# Altium PCB CoinCraftA1.PcbDoc (part 1 of 7) (continued)
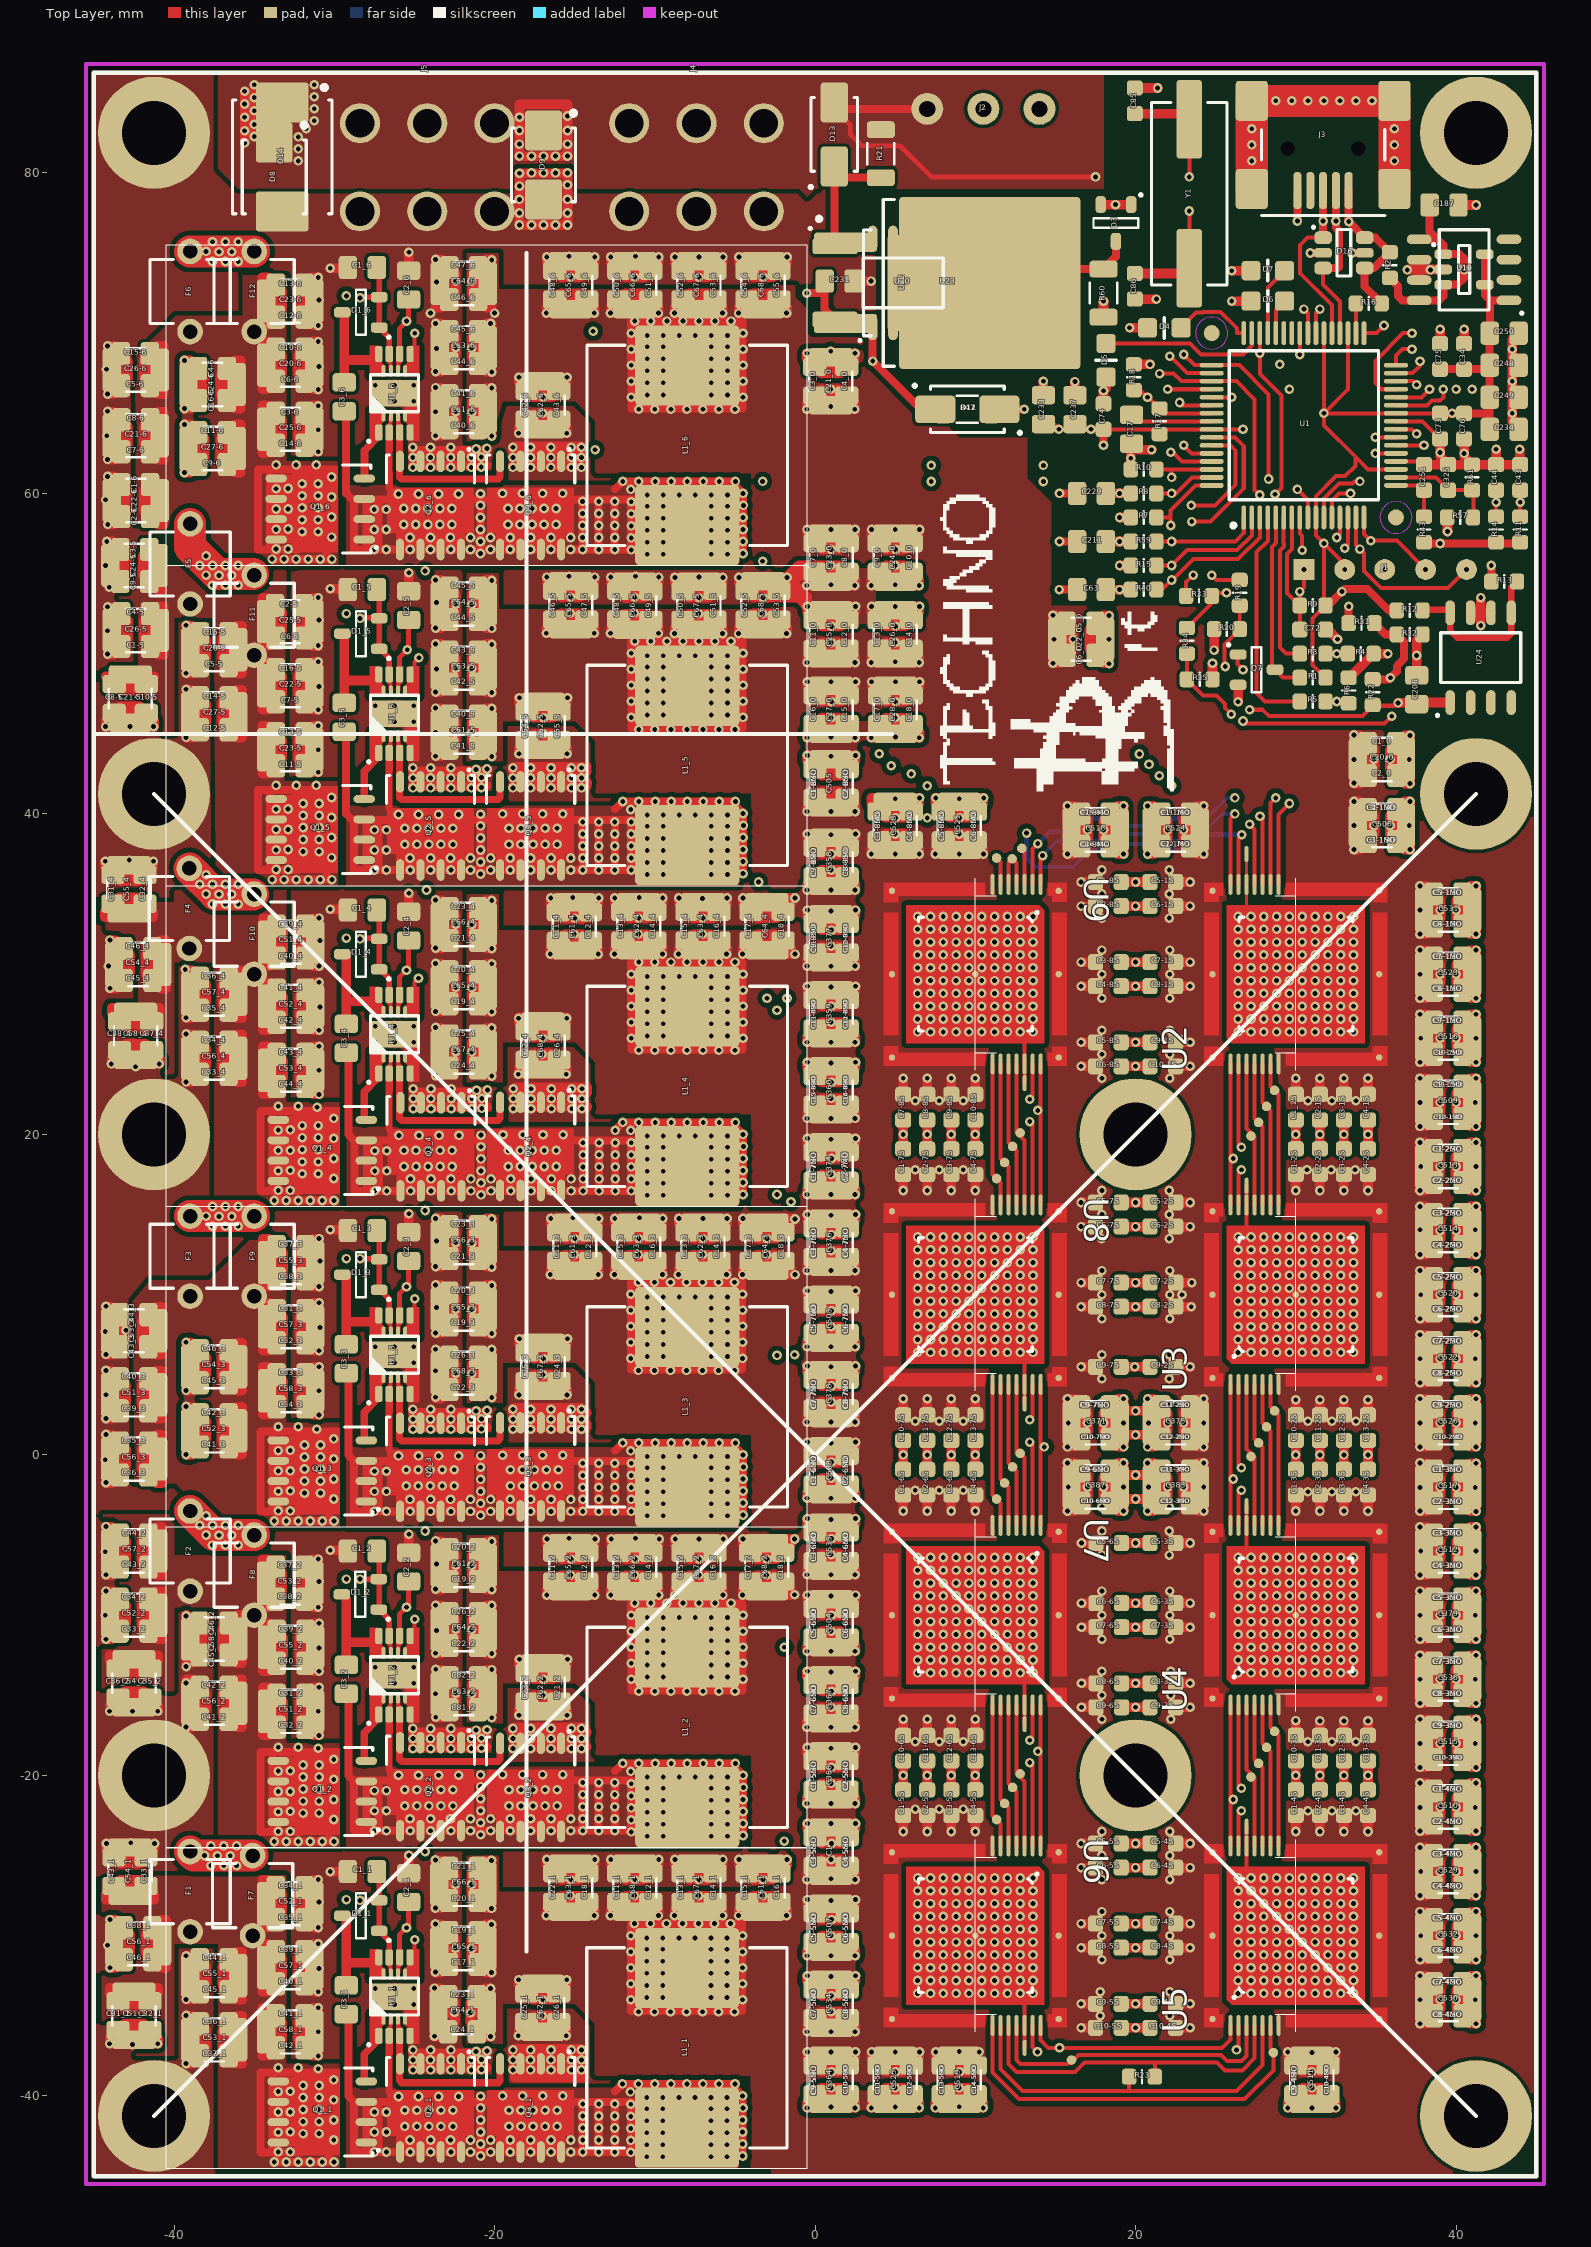
[diagram p0: Top Layer view]
## Components (designator, comment, footprint, x,y, rotation, side; value= is the part's Value field where it differs from the comment) (continued)
C12-8SO "(OPT) 470nF" SMD_0603_CAPC1608X80N 2,27.5 r270 top
C12_0 "(OPT)22uF/6.3V" SMD_0805_CAPC2012X145N 2,51.2 r90 top
C12_1 "22uF/6.3V" SMD_0805_CAPC2012X145N -10.25,-27 r90 top
C12_2 "22uF/6.3V" SMD_0805_CAPC2012X145N -14.25,-7 r90 top
C12_3 "22uF/6.3V" SMD_0805_CAPC2012X145N -14,13 r90 top
C12_4 "22uF/6.3V" SMD_0805_CAPC2012X145N -14.025,32.975 r90 top
C13-2S "470nF" SMD_0603_CAPC1608X80N 34.5,1.7 r270 top
C13-3S "470nF" SMD_0603_CAPC1608X80N 34.5,-18.3 r270 top
C13-5 "10uF/16V" SMD_0805_CAPC2012X145N -32.75,45 r0 top
C13-5MO "(OPT)22uF/6.3V" SMD_0805_CAPC2012X145N 8,-39 r270 top
C13-5SO "(OPT) 470nF" SMD_0603_CAPC1608X80N 8,-39 r270 top
C13-6 "10uF/16V" SMD_0805_CAPC2012X145N -32.75,73 r0 top
C13-6S "470nF" SMD_0603_CAPC1608X80N 10,-18.3 r270 top
C13-7S "470nF" SMD_0603_CAPC1608X80N 10,1.7 r270 top
C13-8MO "(OPT)22uF/6.3V" SMD_0805_CAPC2012X145N 0,27.5 r270 top
C13-8SO "(OPT) 470nF" SMD_0603_CAPC1608X80N 0,22.75 r90 top
C13_0 "(OPT)22uF/6.3V" SMD_0805_CAPC2012X145N 4,51.2 r90 top
C13_1 "22uF/6.3V" SMD_0805_CAPC2012X145N -8.25,-27 r90 top
C13_2 "22uF/6.3V" SMD_0805_CAPC2012X145N -12.251,-7 r90 top
C13_3 "22uF/6.3V" SMD_0805_CAPC2012X145N -8,13 r90 top
C13_4 "22uF/6.3V" SMD_0805_CAPC2012X145N -12,33 r90 top
C14-5 "10uF/16V" SMD_0805_CAPC2012X145N -37.5,47.25 r180 top
C14-5MO "(OPT)22uF/6.3V" SMD_0805_CAPC2012X145N 10,-39 r270 top
C14-5SO "(OPT) 470nF" SMD_0603_CAPC1608X80N 10,-39 r270 top
C14-6 "10uF/16V" SMD_0805_CAPC2012X145N -32.75,63 r0 top
C14-8MO "(OPT)22uF/6.3V" SMD_0805_CAPC2012X145N 2,27.5 r270 top
C14-8SO "(OPT) 470nF" SMD_0603_CAPC1608X80N 2,22.75 r90 top
C14_0 "(OPT)22uF/6.3V" SMD_0805_CAPC2012X145N 6,51.2 r90 top
C14_1 "22uF/6.3V" SMD_0805_CAPC2012X145N -6.25,-27 r90 top
C14_2 "22uF/6.3V" SMD_0805_CAPC2012X145N -10.25,-7 r90 top
C14_3 "22uF/6.3V" SMD_0805_CAPC2012X145N -5.999,13 r90 top
C14_4 "22uF/6.3V" SMD_0805_CAPC2012X145N -10,33 r90 top
C15-5 "10uF/16V" SMD_0805_CAPC2012X145N -37.5,51.25 r180 top
C15-6 "10uF/16V" SMD_0805_CAPC2012X145N -42.415,68.725 r180 top
C15-8MO "(OPT)22uF/6.3V" SMD_0805_CAPC2012X145N 0,22.75 r90 top
C15-8SO "(OPT) 470nF" SMD_0603_CAPC1608X80N 17.5,40 r0 top
C15_0 "(OPT)22uF/6.3V" SMD_0805_CAPC2012X145N 2,46.5 r270 top
C15_1 "22uF/6.3V" SMD_0805_CAPC2012X145N -4.25,-27 r90 top
C15_2 "22uF/6.3V" SMD_0805_CAPC2012X145N -8.25,-7 r90 top
C15_3 "22uF/6.3V" SMD_0805_CAPC2012X145N -12.001,13 r90 top
C15_4 "22uF/6.3V" SMD_0805_CAPC2012X145N -8,33 r90 top
C16-5 "10uF/16V" SMD_0805_CAPC2012X145N -32.75,49 r0 top
C16-6 "10uF/16V" SMD_0805_CAPC2012X145N -37.6,65.8 r180 top
C16-8MO "(OPT)22uF/6.3V" SMD_0805_CAPC2012X145N 2,22.75 r90 top
C16-8SO "(OPT) 470nF" SMD_0603_CAPC1608X80N 17.5,38 r0 top
C16_0 "(OPT)22uF/6.3V" SMD_0805_CAPC2012X145N 0,46.5 r270 top
C16_1 "22uF/6.3V" SMD_0805_CAPC2012X145N -2.25,-27 r90 top
C16_2 "22uF/6.3V" SMD_0805_CAPC2012X145N -6.249,-7 r90 top
C16_3 "22uF/6.3V" SMD_0805_CAPC2012X145N -10,13 r90 top
C16_4 "22uF/6.3V" SMD_0805_CAPC2012X145N -6,33 r90 top
C17 "10uF/16V" SMD_0805_CAPC2012X145N 19.75,64 r270 top
C17_0 "(OPT)22uF/6.3V" SMD_0805_CAPC2012X145N 4.025,46.5 r270 top
C17_1 "22uF/6.3V" SMD_0805_CAPC2012X145N -21.944,-31.8 r180 top
C17_2 "22uF/6.3V" SMD_0805_CAPC2012X145N -4.025,-7 r90 top
C17_3 "22uF/6.3V" SMD_0805_CAPC2012X145N -4,13 r90 top
C17_4 "22uF/6.3V" SMD_0805_CAPC2012X145N -4,33 r90 top
C18_0 "(OPT)22uF/6.3V" SMD_0805_CAPC2012X145N 6,46.5 r270 top
C18_1 "22uF/6.3V" SMD_0805_CAPC2012X145N -14.25,-27 r90 top
C18_2 "22uF/6.3V" SMD_0805_CAPC2012X145N -2.024,-7 r90 top
C18_3 "22uF/6.3V" SMD_0805_CAPC2012X145N -1.999,13 r90 top
C18_4 "22uF/6.3V" SMD_0805_CAPC2012X145N -1.999,33 r90 top
C19_1 "22uF/6.3V" SMD_0805_CAPC2012X145N -21.944,-29.8 r180 top
C19_2 "22uF/6.3V" SMD_0805_CAPC2012X145N -21.929,-7.899 r180 top
C19_3 "22uF/6.3V" SMD_0805_CAPC2012X145N -21.929,8.101 r180 top
C19_4 "22uF/6.3V" SMD_0805_CAPC2012X145N -21.929,28.15 r180 top
C20-5 "(OPT)100uF" SMD_1210_CAPC3225X279N -37.5,50.25 r180 top
C20-6 "(OPT)100uF" SMD_1210_CAPC3225X279N -32.75,68 r0 top
C20_0 "220uF" SMD_1210_CAPC3225X279N 35.377,43.4 r0 top
C20_1 "22uF/6.3V" SMD_0805_CAPC2012X145N -21.944,-27.8 r180 top
C20_2 "22uF/6.3V" SMD_0805_CAPC2012X145N -21.929,-5.9 r180 top
C20_3 "22uF/6.3V" SMD_0805_CAPC2012X145N -21.929,10.1 r180 top
C20_4 "22uF/6.3V" SMD_0805_CAPC2012X145N -21.929,30.15 r180 top
C21-5 "(OPT)100uF" SMD_1210_CAPC3225X279N -42.733,47.2 r270 top
C21-6 "(OPT)100uF" SMD_1210_CAPC3225X279N -42.4,63.6 r180 top
C21_0 "220uF" SMD_1210_CAPC3225X279N 0.975,67 r90 top
C21_1 "22uF/6.3V" SMD_0805_CAPC2012X145N -21.944,-25.8 r180 top
C21_2 "22uF/6.3V" SMD_0805_CAPC2012X145N -15.974,-14.5 r270 top
C21_3 "22uF/6.3V" SMD_0805_CAPC2012X145N -21.929,12.25 r180 top
C21_4 "22uF/6.3V" SMD_0805_CAPC2012X145N -21.929,32.1 r180 top
C22-5 "(OPT)100uF" SMD_1210_CAPC3225X279N -32.75,48 r0 top
C22-6 "(OPT)100uF" SMD_1210_CAPC3225X279N -42.4,59.554 r180 top
C22_0 "220uF" SMD_1210_CAPC3225X279N 16.6,50.9 r0 top
C22_1 "22uF/6.3V" SMD_0805_CAPC2012X145N -16.25,-27 r90 top
C22_2 "22uF/6.3V" SMD_0805_CAPC2012X145N -21.928,-11.9 r180 top
C22_3 "22uF/6.3V" SMD_0805_CAPC2012X145N -21.929,4.076 r180 top
C22_4 "22uF/6.3V" SMD_0805_CAPC2012X145N -17.975,25.55 r270 top
C23-5 "(OPT)100uF" SMD_1210_CAPC3225X279N -32.75,44 r0 top
C23-6 "(OPT)100uF" SMD_1210_CAPC3225X279N -32.75,72 r0 top
C23_0 "220uF" SMD_1210_CAPC3225X279N 1,56 r270 top
C23_1 "22uF/6.3V" SMD_0805_CAPC2012X145N -22,-33.8 r180 top
C23_2 "22uF/6.3V" SMD_0805_CAPC2012X145N -17.975,-14.5 r270 top
C23_3 "22uF/6.3V" SMD_0805_CAPC2012X145N -21.929,14.25 r180 top
C23_4 "22uF/6.3V" SMD_0805_CAPC2012X145N -21.929,34.1 r180 top
C24-5 "(OPT)100uF" SMD_1210_CAPC3225X279N -42.475,55.5 r180 top
C24-6 "(OPT)100uF" SMD_1210_CAPC3225X279N -37.6,66.8 r180 top
C24_0 "220uF" SMD_1210_CAPC3225X279N 5,56 r270 top
C24_1 "22uF/6.3V" SMD_0805_CAPC2012X145N -22,-36 r180 top
C24_3 "22uF/6.3V" SMD_0805_CAPC2012X145N -15.974,5.498 r270 top
C24_4 "22uF/6.3V" SMD_0805_CAPC2012X145N -21.929,24.148 r180 top
C25-5 "(OPT)100uF" SMD_1210_CAPC3225X279N -32.75,52 r0 top
C25-6 "(OPT)100uF" SMD_1210_CAPC3225X279N -32.75,64 r0 top
C25_0 "220uF" SMD_1210_CAPC3225X279N 1,51.2 r90 top
C25_1 "22uF/6.3V" SMD_0805_CAPC2012X145N -18,-34.5 r270 top
C25_3 "22uF/6.3V" SMD_0805_CAPC2012X145N -17.974,5.498 r270 top
C25_4 "22uF/6.3V" SMD_0805_CAPC2012X145N -21.929,26.148 r180 top
C26-5 "(OPT)100uF" SMD_1210_CAPC3225X279N -42.4,51.45 r180 top
C26-6 "(OPT)100uF" SMD_1210_CAPC3225X279N -42.4,67.7 r180 top
C26_0 "220uF" SMD_1210_CAPC3225X279N 5,51.2 r90 top
C26_1 "22uF/6.3V" SMD_0805_CAPC2012X145N -16,-34.5 r270 top
C26_2 "22uF/6.3V" SMD_0805_CAPC2012X145N -21.928,-9.9 r180 top
C26_3 "22uF/6.3V" SMD_0805_CAPC2012X145N -21.929,6.1 r180 top
C26_4 "22uF/6.3V" SMD_0805_CAPC2012X145N -15.975,25.55 r270 top
C27-5 "(OPT)100uF" SMD_1210_CAPC3225X279N -37.5,46.25 r180 top
C27-6 "(OPT)100uF" SMD_1210_CAPC3225X279N -37.6,62.8 r180 top
C27_0 "220uF" SMD_1210_CAPC3225X279N 1,46.5 r270 top
C28_0 "220uF" SMD_1210_CAPC3225X279N 5,46.5 r270 top
C31_1 "10uF/16V" SMD_0805_CAPC2012X145N -43.5,-35 r270 top
C31_2 "10uF/16V" SMD_0805_CAPC2012X145N -32.7,-15 r0 top
C31_3 "10uF/16V" SMD_0805_CAPC2012X145N -32.7,9 r0 top
C31_4 "10uF/16V" SMD_0805_CAPC2012X145N -43.815,35.3 r90 top
C32_1 "10uF/16V" SMD_0805_CAPC2012X145N -41.5,-35 r270 top
C32_2 "10uF/16V" SMD_0805_CAPC2012X145N -32.7,-17 r0 top
C32_3 "10uF/16V" SMD_0805_CAPC2012X145N -32.7,7 r0 top
C32_4 "10uF/16V" SMD_0805_CAPC2012X145N -41.815,35.3 r90 top
C33_1 "10uF/16V" SMD_0805_CAPC2012X145N -41.75,-26 r90 top
C33_2 "10uF/16V" SMD_0805_CAPC2012X145N -42.5,-11 r180 top
C33_3 "10uF/16V" SMD_0805_CAPC2012X145N -32.7,5 r0 top
C33_4 "10uF/16V" SMD_0805_CAPC2012X145N -37.5,23.75 r180 top
C34 "100nF" SMD_0603_CAPC1608X80N 40.498,68.55 r90 top
C34_1 "10uF/16V" SMD_0805_CAPC2012X145N -32.75,-27 r0 top
C34_2 "10uF/16V" SMD_0805_CAPC2012X145N -42.5,-9 r180 top
C34_3 "10uF/16V" SMD_0805_CAPC2012X145N -32.7,3 r0 top
C34_4 "10uF/16V" SMD_0805_CAPC2012X145N -37.5,25.75 r180 top
C35_1 "10uF/16V" SMD_0805_CAPC2012X145N -32.75,-29 r0 top
C35_2 "10uF/16V" SMD_0805_CAPC2012X145N -41.5,-14.25 r270 top
C35_3 "10uF/16V" SMD_0805_CAPC2012X145N -42.5,0.75 r180 top
C35_4 "10uF/16V" SMD_0805_CAPC2012X145N -37.5,27.75 r180 top
C36_1 "10uF/16V" SMD_0805_CAPC2012X145N -37.5,-35.5 r180 top
C36_2 "10uF/16V" SMD_0805_CAPC2012X145N -43.5,-14.25 r270 top
C36_3 "10uF/16V" SMD_0805_CAPC2012X145N -42.5,-1.25 r180 top
C36_4 "10uF/16V" SMD_0805_CAPC2012X145N -37.5,29.75 r180 top
C37_1 "10uF/16V" SMD_0805_CAPC2012X145N -37.5,-37.5 r180 top
C37_2 "10uF/16V" SMD_0805_CAPC2012X145N -32.75,-7 r0 top
C37_3 "10uF/16V" SMD_0805_CAPC2012X145N -32.7,13 r0 top
C37_4 "10uF/16V" SMD_0805_CAPC2012X145N -41.4,26.15 r270 top
C38_1 "10uF/16V" SMD_0805_CAPC2012X145N -42.25,-29.5 r180 top
C38_2 "10uF/16V" SMD_0805_CAPC2012X145N -32.75,-9 r0 top
C38_3 "10uF/16V" SMD_0805_CAPC2012X145N -32.7,11 r0 top
C38_4 "10uF/16V" SMD_0805_CAPC2012X145N -43.4,26.15 r270 top
C39_1 "10uF/16V" SMD_0805_CAPC2012X145N -32.75,-31 r0 top
C39_2 "10uF/16V" SMD_0805_CAPC2012X145N -32.7,-11 r0 top
C39_3 "10uF/16V" SMD_0805_CAPC2012X145N -42.5,2.75 r180 top
C39_4 "10uF/16V" SMD_0805_CAPC2012X145N -32.7,33 r0 top
C40_1 "10uF/16V" SMD_0805_CAPC2012X145N -32.75,-33 r0 top
C40_2 "10uF/16V" SMD_0805_CAPC2012X145N -32.7,-13 r0 top
C40_3 "10uF/16V" SMD_0805_CAPC2012X145N -42.5,4.75 r180 top
C40_4 "10uF/16V" SMD_0805_CAPC2012X145N -32.7,31.003 r0 top
C40_5 "22uF/6.3V" SMD_0805_CAPC2012X145N -21.928,46.1 r180 top
C40_6 "22uF/6.3V" SMD_0805_CAPC2012X145N -21.929,64.1 r180 top
C41_1 "10uF/16V" SMD_0805_CAPC2012X145N -32.75,-35 r0 top
C41_2 "10uF/16V" SMD_0805_CAPC2012X145N -37.5,-16.5 r180 top
C41_3 "10uF/16V" SMD_0805_CAPC2012X145N -37.5,0.5 r180 top
C41_4 "10uF/16V" SMD_0805_CAPC2012X145N -32.7,29 r0 top
C41_5 "22uF/6.3V" SMD_0805_CAPC2012X145N -21.928,44.1 r180 top
C41_6 "22uF/6.3V" SMD_0805_CAPC2012X145N -21.929,66.1 r180 top
C42_1 "10uF/16V" SMD_0805_CAPC2012X145N -32.75,-37 r0 top
C42_2 "10uF/16V" SMD_0805_CAPC2012X145N -37.5,-14.5 r180 top
C42_3 "10uF/16V" SMD_0805_CAPC2012X145N -37.5,2.5 r180 top
C42_4 "10uF/16V" SMD_0805_CAPC2012X145N -32.7,26.997 r0 top
C42_5 "22uF/6.3V" SMD_0805_CAPC2012X145N -21.928,48.1 r180 top
C42_6 "22uF/6.3V" SMD_0805_CAPC2012X145N -17.975,65.5 r270 top
C43 "1nF" SMD_0603_CAPC1608X80N 44,61 r90 top
C43_1 "10uF/16V" SMD_0805_CAPC2012X145N -43.75,-26 r90 top
C43_2 "10uF/16V" SMD_0805_CAPC2012X145N -42.5,-7 r180 top
C43_3 "10uF/16V" SMD_0805_CAPC2012X145N -42.5,6.75 r180 top
C43_4 "10uF/16V" SMD_0805_CAPC2012X145N -32.7,25 r0 top
C43_5 "22uF/6.3V" SMD_0805_CAPC2012X145N -21.928,50.1 r180 top
C43_6 "22uF/6.3V" SMD_0805_CAPC2012X145N -16,65.5 r270 top
C44 "1nF" SMD_0603_CAPC1608X80N 42.5,61 r90 top
C44_1 "10uF/16V" SMD_0805_CAPC2012X145N -37.5,-31.5 r180 top
C44_2 "10uF/16V" SMD_0805_CAPC2012X145N -42.5,-5 r180 top
C44_3 "10uF/16V" SMD_0805_CAPC2012X145N -42.5,8.75 r180 top
C44_4 "10uF/16V" SMD_0805_CAPC2012X145N -32.7,22.997 r0 top
C44_5 "22uF/6.3V" SMD_0805_CAPC2012X145N -21.929,52.125 r180 top
C44_6 "22uF/6.3V" SMD_0805_CAPC2012X145N -21.929,68.1 r180 top
C45_1 "10uF/16V" SMD_0805_CAPC2012X145N -37.5,-33.5 r180 top
C45_2 "10uF/16V" SMD_0805_CAPC2012X145N -37.5,-12.487 r180 top
C45_3 "10uF/16V" SMD_0805_CAPC2012X145N -37.5,4.5 r180 top
C45_4 "10uF/16V" SMD_0805_CAPC2012X145N -42.25,29.597 r180 top
C45_5 "22uF/6.3V" SMD_0805_CAPC2012X145N -21.929,54.1 r180 top
C45_6 "22uF/6.3V" SMD_0805_CAPC2012X145N -21.929,70.1 r180 top
C46_1 "10uF/16V" SMD_0805_CAPC2012X145N -42.25,-31.5 r180 top
C46_2 "10uF/16V" SMD_0805_CAPC2012X145N -37.5,-10.487 r180 top
C46_3 "10uF/16V" SMD_0805_CAPC2012X145N -37.5,6.5 r180 top
C46_4 "10uF/16V" SMD_0805_CAPC2012X145N -42.25,31.6 r180 top
C46_5 "22uF/6.3V" SMD_0805_CAPC2012X145N -16.25,53.025 r90 top
C46_6 "22uF/6.3V" SMD_0805_CAPC2012X145N -21.928,72.1 r180 top
C47_5 "22uF/6.3V" SMD_0805_CAPC2012X145N -14.25,53.025 r90 top
C47_6 "22uF/6.3V" SMD_0805_CAPC2012X145N -21.929,74.1 r180 top
C48_5 "22uF/6.3V" SMD_0805_CAPC2012X145N -12.25,53.025 r90 top
C48_6 "22uF/6.3V" SMD_0805_CAPC2012X145N -16.25,73 r90 top
C49_5 "22uF/6.3V" SMD_0805_CAPC2012X145N -10.25,53 r90 top
C49_6 "22uF/6.3V" SMD_0805_CAPC2012X145N -14.25,73 r90 top
C50_5 "22uF/6.3V" SMD_0805_CAPC2012X145N -8.25,53 r90 top
C50_6 "22uF/6.3V" SMD_0805_CAPC2012X145N -12.25,73 r90 top
C51_1 "(OPT)100uF" SMD_1210_CAPC3225X279N -42.5,-35 r270 top
C51_2 "(OPT)100uF" SMD_1210_CAPC3225X279N -32.7,-16 r0 top
C51_3 "(OPT)100uF" SMD_1210_CAPC3225X279N -42.5,3.75 r180 top
C51_4 "(OPT)100uF" SMD_1210_CAPC3225X279N -32.7,32 r0 top
C51_5 "22uF/6.3V" SMD_0805_CAPC2012X145N -6.25,53.025 r90 top
C51_6 "22uF/6.3V" SMD_0805_CAPC2012X145N -10.25,73 r90 top
C52_1 "(OPT)100uF" SMD_1210_CAPC3225X279N -32.75,-28 r0 top
C52_2 "(OPT)100uF" SMD_1210_CAPC3225X279N -42.5,-10 r180 top
C52_3 "(OPT)100uF" SMD_1210_CAPC3225X279N -37.5,1.5 r180 top
C52_4 "(OPT)100uF" SMD_1210_CAPC3225X279N -32.7,28 r0 top
C52_5 "22uF/6.3V" SMD_0805_CAPC2012X145N -4.25,53.025 r90 top
C52_6 "22uF/6.3V" SMD_0805_CAPC2012X145N -8.25,73 r90 top
C53_1 "(OPT)100uF" SMD_1210_CAPC3225X279N -37.5,-36.5 r180 top
C53_2 "(OPT)100uF" SMD_1210_CAPC3225X279N -32.75,-8 r0 top
C53_3 "(OPT)100uF" SMD_1210_CAPC3225X279N -42.5,7.75 r180 top
C53_4 "(OPT)100uF" SMD_1210_CAPC3225X279N -32.7,24 r0 top
C53_5 "22uF/6.3V" SMD_0805_CAPC2012X145N -2.25,53.025 r90 top
C53_6 "22uF/6.3V" SMD_0805_CAPC2012X145N -6.25,73 r90 top
C54_1 "(OPT)100uF" SMD_1210_CAPC3225X279N -42.75,-26 r90 top
C54_2 "(OPT)100uF" SMD_1210_CAPC3225X279N -42.5,-14.25 r270 top
C54_3 "(OPT)100uF" SMD_1210_CAPC3225X279N -37.5,5.5 r180 top
C54_4 "(OPT)100uF" SMD_1210_CAPC3225X279N -42.25,30.6 r180 top
C54_5 "22uF/6.3V" SMD_0805_CAPC2012X145N -17.975,45.5 r270 top
C54_6 "22uF/6.3V" SMD_0805_CAPC2012X145N -4.25,73 r90 top
C55_1 "(OPT)100uF" SMD_1210_CAPC3225X279N -37.5,-32.5 r180 top
C55_2 "(OPT)100uF" SMD_1210_CAPC3225X279N -32.7,-12 r0 top
C55_3 "(OPT)100uF" SMD_1210_CAPC3225X279N -32.7,12 r0 top
C55_4 "(OPT)100uF" SMD_1210_CAPC3225X279N -42.815,35.3 r90 top
C55_5 "22uF/6.3V" SMD_0805_CAPC2012X145N -15.975,45.5 r270 top
C55_6 "22uF/6.3V" SMD_0805_CAPC2012X145N -2.25,73 r90 top
C56_1 "(OPT)100uF" SMD_1210_CAPC3225X279N -42.25,-30.5 r180 top
C56_2 "(OPT)100uF" SMD_1210_CAPC3225X279N -37.5,-15.5 r180 top
C56_3 "(OPT)100uF" SMD_1210_CAPC3225X279N -42.5,-0.25 r180 top
C56_4 "(OPT)100uF" SMD_1210_CAPC3225X279N -37.5,24.75 r180 top
C57_1 "(OPT)100uF" SMD_1210_CAPC3225X279N -32.75,-32 r0 top
C57_2 "(OPT)100uF" SMD_1210_CAPC3225X279N -42.5,-6 r180 top
C57_3 "(OPT)100uF" SMD_1210_CAPC3225X279N -32.7,8 r0 top
C57_4 "(OPT)100uF" SMD_1210_CAPC3225X279N -37.5,28.75 r180 top
C58_1 "(OPT)100uF" SMD_1210_CAPC3225X279N -32.75,-36 r0 top
C58_2 "(OPT)100uF" SMD_1210_CAPC3225X279N -37.5,-11.487 r180 top
C58_3 "(OPT)100uF" SMD_1210_CAPC3225X279N -32.7,4 r0 top
C58_4 "(OPT)100uF" SMD_1210_CAPC3225X279N -42.4,26.15 r270 top
C61_1 "(OPT)220uF" SMD_1210_CAPC3225X279N -3.25,-27 r90 top
C61_2 "(OPT)220uF" SMD_1210_CAPC3225X279N -21.929,-6.9 r180 top
C61_3 "(OPT)220uF" SMD_1210_CAPC3225X279N -15,13 r90 top
C61_4 "(OPT)220uF" SMD_1210_CAPC3225X279N -15.025,32.975 r90 top
C61_5 "(OPT)220uF" SMD_1210_CAPC3225X279N -21.928,45.1 r180 top
C61_6 "(OPT)220uF" SMD_1210_CAPC3225X279N -21.929,65.1 r180 top
C62_1 "(OPT)220uF" SMD_1210_CAPC3225X279N -17,-34.5 r270 top
C62_2 "(OPT)220uF" SMD_1210_CAPC3225X279N -16.975,-14.5 r270 top
C62_3 "(OPT)220uF" SMD_1210_CAPC3225X279N -7,13 r90 top
C62_4 "(OPT)220uF" SMD_1210_CAPC3225X279N -11,33 r90 top
C62_5 "(OPT)220uF" SMD_1210_CAPC3225X279N -16.975,45.5 r270 top
C62_6 "(OPT)220uF" SMD_1210_CAPC3225X279N -16.975,65.5 r270 top
C63 "22uF/6.3V" SMD_0805_CAPC2012X145N 17.25,54 r0 top
C63_1 "(OPT)220uF" SMD_1210_CAPC3225X279N -15.25,-27 r90 top
C63_2 "(OPT)220uF" SMD_1210_CAPC3225X279N -21.925,-14.9 r180 top
C63_3 "(OPT)220uF" SMD_1210_CAPC3225X279N -11,13 r90 top
C63_4 "(OPT)220uF" SMD_1210_CAPC3225X279N -7,33 r90 top
C63_5 "(OPT)220uF" SMD_1210_CAPC3225X279N -21.928,49.1 r180 top
C63_6 "(OPT)220uF" SMD_1210_CAPC3225X279N -21.929,69.1 r180 top
C64_1 "(OPT)220uF" SMD_1210_CAPC3225X279N -22,-34.8 r180 top
C64_2 "(OPT)220uF" SMD_1210_CAPC3225X279N -21.928,-10.9 r180 top
C64_3 "(OPT)220uF" SMD_1210_CAPC3225X279N -3,13 r90 top
C64_4 "(OPT)220uF" SMD_1210_CAPC3225X279N -3,33 r90 top
C64_5 "(OPT)220uF" SMD_1210_CAPC3225X279N -21.929,53.1 r180 top
C64_6 "(OPT)220uF" SMD_1210_CAPC3225X279N -21.929,73.1 r180 top
C65_1 "(OPT)220uF" SMD_1210_CAPC3225X279N -21.944,-30.8 r180 top
C65_2 "(OPT)220uF" SMD_1210_CAPC3225X279N -15.25,-7 r90 top
C65_3 "(OPT)220uF" SMD_1210_CAPC3225X279N -21.929,9.1 r180 top
C65_4 "(OPT)220uF" SMD_1210_CAPC3225X279N -21.929,29.15 r180 top
C65_5 "(OPT)220uF" SMD_1210_CAPC3225X279N -15.25,53.025 r90 top
C65_6 "(OPT)220uF" SMD_1210_CAPC3225X279N -15.25,73 r90 top
C66_1 "(OPT)220uF" SMD_1210_CAPC3225X279N -21.944,-26.8 r180 top
C66_2 "(OPT)220uF" SMD_1210_CAPC3225X279N -11.25,-7 r90 top
C66_3 "(OPT)220uF" SMD_1210_CAPC3225X279N -21.929,13.25 r180 top
C66_4 "(OPT)220uF" SMD_1210_CAPC3225X279N -21.929,33.1 r180 top
C66_5 "(OPT)220uF" SMD_1210_CAPC3225X279N -11.25,53 r90 top
C66_6 "(OPT)220uF" SMD_1210_CAPC3225X279N -11.25,73 r90 top
C67_1 "(OPT)220uF" SMD_1210_CAPC3225X279N -7.25,-27 r90 top
C67_2 "(OPT)220uF" SMD_1210_CAPC3225X279N -7.25,-7 r90 top
C67_3 "(OPT)220uF" SMD_1210_CAPC3225X279N -16.974,5.498 r270 top
C67_4 "(OPT)220uF" SMD_1210_CAPC3225X279N -21.929,25.148 r180 top
C67_5 "(OPT)220uF" SMD_1210_CAPC3225X279N -7.25,53 r90 top
C67_6 "(OPT)220uF" SMD_1210_CAPC3225X279N -7.25,73 r90 top
C68_1 "(OPT)220uF" SMD_1210_CAPC3225X279N -11.25,-27 r90 top
C68_2 "(OPT)220uF" SMD_1210_CAPC3225X279N -3.025,-7 r90 top
C68_3 "(OPT)220uF" SMD_1210_CAPC3225X279N -21.929,5.1 r180 top
C68_4 "(OPT)220uF" SMD_1210_CAPC3225X279N -16.975,25.55 r270 top
C68_5 "(OPT)220uF" SMD_1210_CAPC3225X279N -3.25,53.025 r90 top
C68_6 "(OPT)220uF" SMD_1210_CAPC3225X279N -3.25,73 r90 top
C72 "100nF" SMD_0603_CAPC1608X80N 31.05,51.5 r0 top
C73 "100nF" SMD_0603_CAPC1608X80N 39,64.2 r270 top
C74 "100nF" SMD_0603_CAPC1608X80N 18,64.8 r90 top
C75 "100nF" SMD_0603_CAPC1608X80N 38.999,68.55 r90 top
C76 "100nF" SMD_0603_CAPC1608X80N 40.5,64.2 r270 top
C81_2 "22uF/6.3V" SMD_0805_CAPC2012X145N -21.925,-15.9 r180 top
C82_2 "22uF/6.3V" SMD_0805_CAPC2012X145N -21.925,-13.9 r180 top
C85 "18pF" SMD_0603_CAPC1608X80N 19.95,84.5 r90 top
C86 "18pF" SMD_0603_CAPC1608X80N 19.95,72.926 r270 top
C187 "10uF/16V" SMD_0805_CAPC2012X145N 39.25,78 r0 top
C206 "22uF/6.3V" SMD_0805_CAPC2012X145N 37.538,47.75 r270 top
C211 "22uF/6.3V" SMD_0805_CAPC2012X145N 17.25,57 r0 top
C229 "22uF/6.3V" SMD_0805_CAPC2012X145N 17.25,60 r0 top
C231 "10uF/16V" SMD_0805_CAPC2012X145N 1.5,73.25 r0 top
C233 "22uF/6.3V" SMD_0805_CAPC2012X145N 14.25,65.225 r90 top
C234 "22uF/6.3V" SMD_0805_CAPC2012X145N 43,64 r0 top
C237 "22uF/6.3V" SMD_0805_CAPC2012X145N 16.215,65.225 r90 top
C248 "22uF/6.3V" SMD_0805_CAPC2012X145N 43,68 r0 top
C249 "22uF/6.3V" SMD_0805_CAPC2012X145N 43,66 r0 top
C250 "22uF/6.3V" SMD_0805_CAPC2012X145N 43,70 r0 top
C251 "1nF" SMD_0603_CAPC1608X80N 38,61 r90 top
C325 "1nF" SMD_0603_CAPC1608X80N 39.5,61 r90 top
C358 "220uF" SMD_1210_CAPC3225X279N 1,37 r270 top
C359 "220uF" SMD_1210_CAPC3225X279N 1,27.5 r270 top
C360 "220uF" SMD_1210_CAPC3225X279N 1,22.75 r90 top
C364 "220uF" SMD_1210_CAPC3225X279N 1,-39 r270 top
C366 "220uF" SMD_1210_CAPC3225X279N 0.999,-20 r270 top
C367 "220uF" SMD_1210_CAPC3225X279N 0.999,-15.25 r90 top
C371 "220uF" SMD_1210_CAPC3225X279N 17.5,2 r0 top
C374 "220uF" SMD_1210_CAPC3225X279N 1,18 r270 top
C375 "220uF" SMD_1210_CAPC3225X279N 22.5,2 r180 top
C376 "220uF" SMD_1210_CAPC3225X279N 1,13.25 r90 top
C377 "220uF" SMD_1210_CAPC3225X279N 1,32.25 r90 top
C378 "220uF" SMD_1210_CAPC3225X279N 1,3.8 r90 top
C379 "220uF" SMD_1210_CAPC3225X279N 39.5,-10 r0 top
C383 "220uF" SMD_1210_CAPC3225X279N 22.5,-2 r180 top
C387 "220uF" SMD_1210_CAPC3225X279N 17.5,-2 r0 top
C503 "220uF" SMD_1210_CAPC3225X279N 1,8.5 r270 top
C504 "220uF" SMD_1210_CAPC3225X279N 1,-10.5 r270 top
C505 "220uF" SMD_1210_CAPC3225X279N 1,41.9 r90 top
C506 "220uF" SMD_1210_CAPC3225X279N 35.376,39.275 r0 top
C507 "220uF" SMD_1210_CAPC3225X279N 1,-29.5 r270 top
C508 "220uF" SMD_1210_CAPC3225X279N 1,-0.95 r270 top
C509 "220uF" SMD_1210_CAPC3225X279N 39.5,22 r0 top
C510 "220uF" SMD_1210_CAPC3225X279N 39.5,-21.975 r0 top
C511 "220uF" SMD_1210_CAPC3225X279N 31,-39 r270 top
C512 "220uF" SMD_1210_CAPC3225X279N 39.5,-6 r0 top
C513 "220uF" SMD_1210_CAPC3225X279N 39.5,18 r0 top
C514 "220uF" SMD_1210_CAPC3225X279N 39.5,14 r0 top
C515 "220uF" SMD_1210_CAPC3225X279N 39.5,-18 r0 top
C516 "220uF" SMD_1210_CAPC3225X279N 39.5,26 r0 top
C517 "220uF" SMD_1210_CAPC3225X279N 39.5,-2.025 r0 top
C518 "220uF" SMD_1210_CAPC3225X279N 17.5,39 r0 top
C519 "220uF" SMD_1210_CAPC3225X279N 9,-39 r270 top
C520 "220uF" SMD_1210_CAPC3225X279N 39.5,10 r0 top
C521 "220uF" SMD_1210_CAPC3225X279N 9.001,39.25 r90 top
C522 "220uF" SMD_1210_CAPC3225X279N 39.5,6 r0 top
C523 "220uF" SMD_1210_CAPC3225X279N 39.5,30 r0 top
C524 "220uF" SMD_1210_CAPC3225X279N 22.5,39 r180 top
C525 "220uF" SMD_1210_CAPC3225X279N 5,-39 r270 top
C526 "220uF" SMD_1210_CAPC3225X279N 39.5,2 r0 top
C528 "220uF" SMD_1210_CAPC3225X279N 5,39.25 r90 top
C529 "220uF" SMD_1210_CAPC3225X279N 39.5,-26 r0 top
C530 "220uF" SMD_1210_CAPC3225X279N 39.5,-34 r0 top
C531 "220uF" SMD_1210_CAPC3225X279N 39.5,34 r0 top
C532 "220uF" SMD_1210_CAPC3225X279N 39.5,-30 r0 top
C533 "220uF" SMD_1210_CAPC3225X279N 1,-5.725 r90 top
C534 "220uF" SMD_1210_CAPC3225X279N 1,-34.25 r90 top
C536 "220uF" SMD_1210_CAPC3225X279N 39.5,-14 r0 top
D1_1 "BAT54C" SMD_SOT23_SOT95P240X120-3N -28.35,-28.75 r180 top
D1_2 "BAT54C" SMD_SOT23_SOT95P240X120-3N -28.382,-8.7 r180 top
D1_3 "BAT54C" SMD_SOT23_SOT95P240X120-3N -28.35,11.25 r180 top
D1_4 "BAT54C" SMD_SOT23_SOT95P240X120-3N -28.35,31.25 r180 top
D1_5 "BAT54C" SMD_SOT23_SOT95P240X120-3N -28.35,51.25 r180 top
D1_6 "BAT54C" SMD_SOT23_SOT95P240X120-3N -28.35,71.3 r180 top
D3 "(OPT) BAV56" SMD_SOT23_SOT95P240X120-3N 18.775,76.875 r270 top
D4 "Red SML210VT ROHM" SMD_0805_LED2012X100N 21.792,70.335 r0 top
D5 "Green 	SML210MT ROHM" SMD_0805_LED2012X100N 18.155,68.308 r90 top
D6 "Yellow SML210YT ROHM" SMD_0805_LED2012X100N 28.25,72 r0 top
D7 "Orange 	SML210DT ROHM" SMD_0805_LED2012X100N 28.25,73.9 r0 top
D8 "(OPT) SMBJ12A" SMD_DO214AC_SMB -33.75,79.75 r270 top
D9 "(OPT) SMBJ12A" SMD_DO214AC_SMB -16.949,80.5 r270 top
D11 "(OPT)SS14" SMD_DO214AC_SMA 9.5,65.25 r0 top
D12 "(OPT)SS14" SMD_DO214AC_SMA 9.5,65.25 r180 top
D13 "SS14" SMD_DO214AC_SMA 1.2,82.4 r90 top
D14 "SMCJ12A" SMD_DO214AC_SMC -33.25,81 r270 top
D16 "SMS05T1G" SMD_SOT95P280X145-6N-W 33,75.01 r0 top
F1 "MF-USMF050" PTH_CAPRR500W60L400T500H750A -39,-27.25 r270 top
F2 "MF-USMF050" PTH_CAPRR500W60L400T500H750A -39,-6 r270 top
F3 "MF-USMF050" PTH_CAPRR500W60L400T500H750A -39,12.4 r270 top
F4 "MF-USMF050" PTH_CAPRR500W60L400T500H750A -39.046,34.1 r270 top
F5 "MF-USMF050" PTH_CAPRR500W60L400T500H750A -39,55.6 r270 top
F6 "MF-USMF050" PTH_CAPRR500W60L400T500H750A -39,72.6 r270 top
F7 "MF-USMF050" PTH_CAPRR500W60L400T500H750A -35.1,-27.5 r270 top
F8 "MF-USMF050" PTH_CAPRR500W60L400T500H750A -35,-7.5 r270 top
F9 "MF-USMF050" PTH_CAPRR500W60L400T500H750A -35,12.4 r270 top
F10 "MF-USMF050" PTH_CAPRR500W60L400T500H750A -35,32.5 r270 top
F11 "MF-USMF050" PTH_CAPRR500W60L400T500H750A -35,52.4 r270 top
F12 "MF-USMF050" PTH_CAPRR500W60L400T500H750A -35,72.6 r270 top
J1 "(OPT) CON PROGRAM" "SIP5 PGM TOP" 30.5,55.25 r0 top
J2 "CON_3PINS" PTH_CON_3.5mm_3PINs 14,84 r180 top
J3 "CU04SCM15B0-R0" SMD_CON-CVILUX-CU04-SCM15B0 31.7,81.5 r180 top
J4 "WURTH 649 006 295 22" PTH_CON_PCI-E -11.6,77.6 r0 top
J5 "WURTH 649 006 295 22" PTH_CON_PCI-E -28.4,77.6 r0 top locked
L1_1 "SLC1480-201MLD" "SMD_INDM12501250X800A - Coilcraft SLC1480" -8,-37 r90 top locked
L1_2 "SLC1480-201MLD" "SMD_INDM12501250X800A - Coilcraft SLC1480" -7.975,-17 r90 top locked
L1_3 "SLC1480-201MLD" "SMD_INDM12501250X800A - Coilcraft SLC1480" -7.975,3 r90 top locked
L1_4 "SLC1480-201MLD" "SMD_INDM12501250X800A - Coilcraft SLC1480" -7.975,23 r90 top locked
L1_5 "SLC1480-201MLD" "SMD_INDM12501250X800A - Coilcraft SLC1480" -7.975,43.025 r90 top locked
L1_6 "SLC1480-201MLD" "SMD_INDM12501250X800A - Coilcraft SLC1480" -7.975,63 r90 top locked
Q1_1 "AP1RA03GMT-3" SMD_SON127P615X520X100-8N -30.75,-41 r180 top
Q1_2 "AP1RA03GMT-3" SMD_SON127P615X520X100-8N -30.75,-21 r180 top
Q1_3 "AP1RA03GMT-3" SMD_SON127P615X520X100-8N -30.75,-1 r180 top
Q1_4 "AP1RA03GMT-3" SMD_SON127P615X520X100-8N -30.75,19 r180 top
Q1_5 "AP1RA03GMT-3" SMD_SON127P615X520X100-8N -30.882,39.025 r180 top
Q1_6 "AP1RA03GMT-3" SMD_SON127P615X520X100-8N -30.882,59.025 r180 top
Q2_1 "AP1RA03GMT-3" SMD_SON127P615X520X100-8N -23.995,-40.75 r270 top
Q2_2 "AP1RA03GMT-3" SMD_SON127P615X520X100-8N -23.995,-20.7 r270 top
Q2_3 "AP1RA03GMT-3" SMD_SON127P615X520X100-8N -23.995,-0.775 r270 top
Q2_4 "AP1RA03GMT-3" SMD_SON127P615X520X100-8N -17.75,19.25 r270 top
Q2_5 "AP1RA03GMT-3" SMD_SON127P615X520X100-8N -23.995,39.25 r270 top
Q2_6 "AP1RA03GMT-3" SMD_SON127P615X520X100-8N -24,59.25 r270 top
Q3_1 "AP1RA03GMT-3" SMD_SON127P615X520X100-8N -17.75,-40.75 r270 top
Q3_2 "AP1RA03GMT-3" SMD_SON127P615X520X100-8N -17.75,-20.75 r270 top
Q3_3 "AP1RA03GMT-3" SMD_SON127P615X520X100-8N -17.75,-0.75 r270 top
Q3_4 "AP1RA03GMT-3" SMD_SON127P615X520X100-8N -23.97,19.225 r270 top
Q3_5 "AP1RA03GMT-3" SMD_SON127P615X520X100-8N -17.75,39.25 r270 top
Q3_6 "AP1RA03GMT-3" SMD_SON127P615X520X100-8N -17.75,59.25 r270 top
Q7 "BSS138" SMD_SOT23_SOT95P240X120-3N 27.55,49 r0 top
R1 "1k" SMD_0603_RESC1608X55N 31.05,48.5 r0 top
R2 "0" SMD_0603_RESC1608X55N 35.867,74.25 r90 top
R3 "1k" SMD_0603_RESC1608X55N 31.05,50 r180 top
R4 "1k" SMD_0603_RESC1608X55N 34.05,50 r180 top
R5 "1k" SMD_0603_RESC1608X55N 31.05,47.018 r180 top
R6 "1k" SMD_0603_RESC1608X55N 33.3,47.7 r270 top
R7 "10k" SMD_0603_RESC1608X55N 20.5,58.5 r180 top
R8 "10k" SMD_0603_RESC1608X55N 20.5,60 r180 top
R9 "10k" SMD_0603_RESC1608X55N 31.05,53 r0 top
R10 "10k" SMD_0603_RESC1608X55N 20.5,61.5 r180 top
R11 "10k" SMD_0603_RESC1608X55N 44,57.75 r270 top
R12 "0" SMD_0603_RESC1608X55N 37.1,52.7 r0 top
R13 "(OPT)0" SMD_0603_RESC1608X55N 43,54.5 r180 top
R14 "10k" SMD_0603_RESC1608X55N 42.5,57.75 r270 top
R15 "10k" SMD_0603_RESC1608X55N 20.5,55.5 r0 top
R16 "10k" SMD_0603_RESC1608X55N 34.55,71.85 r0 top
R17 "(OPT)10k" SMD_0603_RESC1608X55N 21.5,64.5 r90 top
R18 "10k" SMD_0603_RESC1608X55N 19.892,67.25 r270 top
R19 "1k" SMD_0603_RESC1608X55N 26.5,53.8 r90 top
R20 "1k" SMD_0603_RESC1608X55N 25.7,51.525 r0 top
R21 "100" SMD_1206_RESC3216X180N 4.1,81.2 r90 top
R22 "1k" SMD_0603_RESC1608X55N 34.8,47.6 r270 top
R23 "(OPT)0" SMD_0603_RESC1608X55N 20.4,-38.8 r180 top
R31 "0" SMD_0603_RESC1608X55N 34.1,51.9 r180 top
R32 "(OPT)1k" SMD_0603_RESC1608X55N 37.1,51.2 r0 top
R33 "0" SMD_0603_RESC1608X55N 23.957,53.6 r180 top
R34 "47" SMD_0603_RESC1608X55N 23.2,50.8 r90 top
R35 "47" SMD_0603_RESC1608X55N 24,48.4 r0 top
R40 "10k" SMD_0603_RESC1608X55N 20.5,54 r0 top
R43 "10k" SMD_0603_RESC1608X55N 38,57.75 r270 top
R47 "2" SMD_1206_RESC3216X180N 9.5,65.25 r0 top
R57 "10k" SMD_0603_RESC1608X55N 40.248,58.5 r0 top
R59 "10k" SMD_0603_RESC1608X55N 20.5,57 r0 top
R60 "0" SMD_1206_RESC3216X180N 18,72.5 r90 top
R61 "2.4k" SMD_0603_RESC1608X55N 40.998,61 r270 top
U1 "dsPIC33EP256MU806" SMD_QFP50P1200X1200X120-64N 30.5,64.25 r90 top
U1_1 "LTC 4449" "SMD_SOP65P490X110-9N - DUAL" -26.25,-33.8 r90 top
U1_2 "LTC 4449" "SMD_SOP65P490X110-9N - DUAL" -26.25,-13.75 r90 top
U1_3 "LTC 4449" "SMD_SOP65P490X110-9N - DUAL" -26.25,6.25 r90 top
U1_4 "LTC 4449" "SMD_SOP65P490X110-9N - DUAL" -26.25,26.25 r90 top
U1_5 "LTC 4449" "SMD_SOP65P490X110-9N - DUAL" -26.25,46.25 r90 top
U1_6 "LTC 4449" "SMD_SOP65P490X110-9N - DUAL" -26.25,66.25 r90 top
U2 "COINCRAFTA1" "SMD_QFNCOINCRAFTX90- 21N - 0.5BSC" 30,30 r90 top